# Altium PCB InsaneKeyboard.PcbDoc (part 1 of 4) (continued)
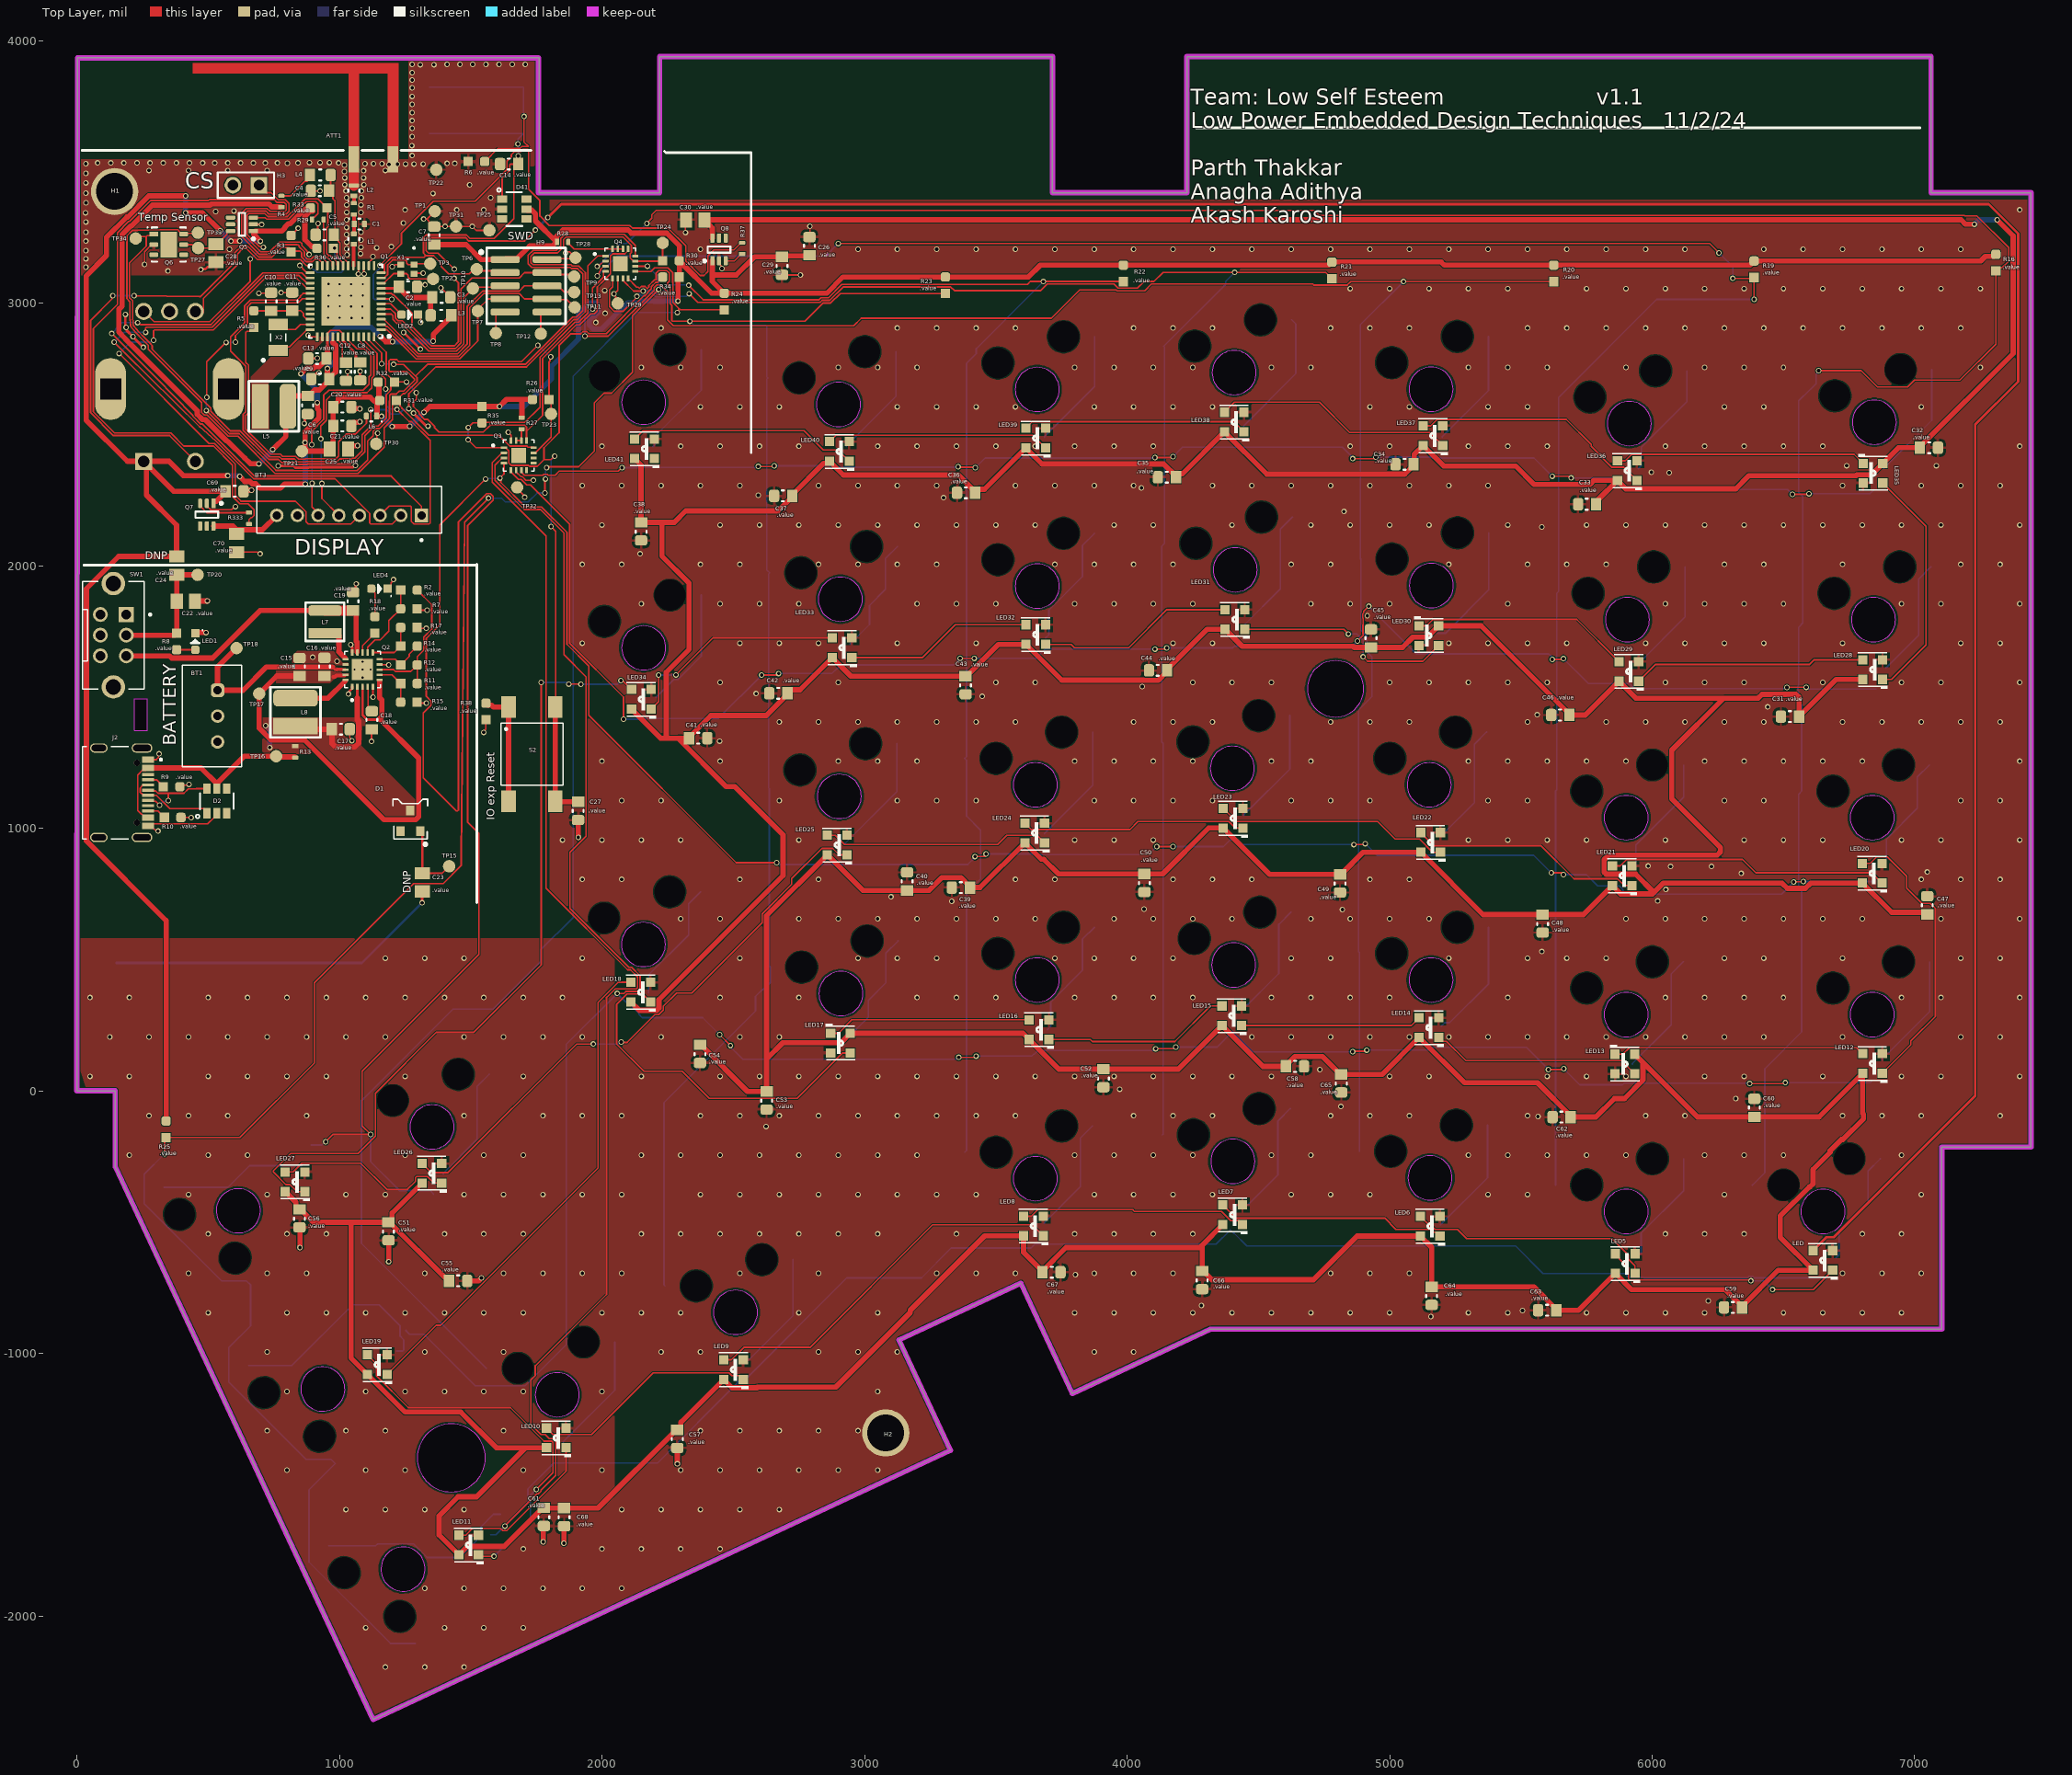
[diagram p0: Top Layer view]
## Footprints (in the part's own frame and the unit in brackets; to place one, negate y for a bottom-side part, rotate by r counter-clockwise, add the part's x,y. Pads: shape width x height; smd on the part's side, far side on the other; paste and mask are expansions set on the pad) (continued)
DPDT [mm]
  rect 1.438x1.438 / inner round 1.438 / far side rect 1.438x1.438 hole 0.93: 1(-2,1.25)
  round 1.438 hole 0.93: 2(0,1.25) 3(2,1.25) 4(-2,-1.25) 5(0,-1.25) 6(2,-1.25)
  round 2.265 hole 1.51: S1(-5,0) S2(5,0)
  silkscreen extent -5.2,-3 5.2,3.65, body extent -5.15,-7 5.15,3, height 5
EFR32BG [mm] "PQFN, 48-Leads, Body 7.00x7.00mm, Pitch 0.50mm, Thermal Pad 4.70x4.70mm, IPC Medium Density"
  rect 0.86x0.26 smd mask+0.05: 1(-3.435,2.75)
  rrect50% 0.86x0.26 smd mask+0.05: 2(-3.435,2.25) 3(-3.435,1.75) 4(-3.435,1.25) 5(-3.435,0.75) 6(-3.435,0.25) 7(-3.435,-0.25) 8(-3.435,-0.75) 9(-3.435,-1.25) 10(-3.435,-1.75) 11(-3.435,-2.25) 12(-3.435,-2.75) 25(3.435,-2.75) 26(3.435,-2.25) 27(3.435,-1.75) 28(3.435,-1.25) 29(3.435,-0.75) 30(3.435,-0.25) 31(3.435,0.25) 32(3.435,0.75) 33(3.435,1.25) 34(3.435,1.75) 35(3.435,2.25) 36(3.435,2.75)
  rrect50% 0.26x0.86 smd mask+0.05: 13(-2.75,-3.435) 14(-2.25,-3.435) 15(-1.75,-3.435) 16(-1.25,-3.435) 17(-0.75,-3.435) 18(-0.25,-3.435) 19(0.25,-3.435) 20(0.75,-3.435) 21(1.25,-3.435) 22(1.75,-3.435) 23(2.25,-3.435) 24(2.75,-3.435) 37(2.75,3.435) 38(2.25,3.435) 39(1.75,3.435) 40(1.25,3.435) 41(0.75,3.435) 42(0.25,3.435) 43(-0.25,3.435) 44(-0.75,3.435) 45(-1.25,3.435) 46(-1.75,3.435) 47(-2.25,3.435) 48(-2.75,3.435)
  round 0.5 hole 0.2: 49(-1.651,-0.559) 49(-1.651,-1.651) 49(-1.626,1.626) 49(-1.626,0.508) 49(-0.559,1.626) 49(-0.533,0.508) 49(-0.533,-0.533) 49(-0.533,-1.651) 49(0.559,0.483) 49(0.584,1.6) 49(0.584,-0.533) 49(0.584,-1.651) 49(1.651,-0.533) 49(1.651,-1.676) 49(1.676,0.508) 49(1.702,1.6)
  rect 4.7x4.7 smd paste-20 mask+0.05: 49(0,0)
  silkscreen extent -4.33,-3.55 3.55,3.55, body extent -3.55,-3.55 3.55,3.55, height 0.9
F_INVERTED [mil] "inverted f antenna with 50 ohm impedence matching"
  rect 100x40 smd paste-39.37 mask+4.02: FEED(0,0)
  rect 100x40 smd paste-78.74 mask+4.02: GND(0,-149)
  Top Layer region: 0,20 327,20 327,613 366,613 366,-169 0,-169 0,-129 327,-129 327,-20 0,-20
"FERRITE 0402"#1 [mm]
  rect 0.47x0.589 smd: 1(-0.5,0)
  rrect50% 0.47x0.589 smd: 2(0.5,0)
  silkscreen extent -1.04,-0.53 0.1,0.58, body extent -0.55,-0.3 0.55,0.3, height 0.55
"FERRITE 0402"#2 [mm]
  rect 0.47x0.64 smd: 1(-0.5,0)
  rrect50% 0.394x1.016 smd: 2(0.5,0)
  silkscreen extent -1.04,-0.53 0.1,0.58, body extent -0.55,-0.3 0.55,0.3, height 0.55
"FERRITE 0402"#3 [mm]
  rect 0.47x0.64 smd: 1(-0.5,0)
  rrect50% 0.47x0.64 smd: 2(0.5,0)
  silkscreen extent -1.04,-0.53 0.1,0.58, body extent -0.55,-0.3 0.55,0.3, height 0.55
"FERRITE 0603" [mm] "EFR32bg13- / RFVDD, PAVDD"
  rect 1x1.2 smd: 1(-0.975,0)
  rrect50% 1x1.2 smd: 2(1.025,0)
  silkscreen extent -0.07,-0.53 0.13,0.53, body extent -0.87,-0.5 0.93,0.5, height 1
HOLE [mil]
  round 180 hole 140: 1(0,0)
"IND 10UH (1X3.2)" [mm]
  rect 1x3.2 smd: 1(0,0)
  rrect50% 1x3.2 smd: 2(2.2,0)
  silkscreen extent -0.76,-1.85 2.97,1.88, body extent -0.27,-1.44 2.51,1.34, height 0.24
"IND 22UH (1.6X4.3)" [mm]
  rect 1.6x4.3 smd: 1(0,0)
  rrect50% 1.6x4.3 smd: 2(2.7,0)
  silkscreen extent -1.09,-2.41 3.76,2.44, body extent -0.58,-1.9 3.22,1.9, height 1.66
"LED 0603" [mm] "SODFL, 2-Leads, Body 0.80x1.80mm, IPC Medium Density"
  rrect50% 0.8x0.8 smd: A(0.775,-0.102)
  rect 0.8x0.8 smd: C(-0.825,-0.102)
  silkscreen extent -1.18,-0.5 0.12,0.65, body extent -0.83,-0.5 0.77,0.3, height 0.71
"MECHANICAL SWITCH" [mm] "Compatible with any 3-Pin/5-Pin MX mechanical keyboard with SMD-LED light or RGB-SMD light."
  rect 2.55x2.5 smd: 1(-5.561,5.1) 2(6.831,2.56)
  round 0 hole 3 unplated: 4(3.81,2.56) 5(-2.54,5.1)
  Keep-Out Layer board cut-out: 0,-2.135 -0.817,-1.973 -1.51,-1.51 -1.973,-0.817 -2.135,0 -2.135,0 -1.973,0.817 -1.51,1.51 -0.817,1.973 0,2.135 0,2.135 0.817,1.973 1.51,1.51 1.973,0.817 2.135,0 2.135,0 1.973,-0.817 1.51,-1.51 0.817,-1.973 0,-2.135
  silkscreen extent -3.86,6.27 4.95,8.1, body extent -6.67,0.91 7.83,6.8, height 1.76
"MINI SIMPLICITY CONNECTOR" [mil]
  rrect50% 26x110 smd mask+2: 1(-100,-80) 2(-100,80) 3(-50,-80) 4(-50,80) 5(0,-80) 6(0,80) 7(50,-80) 8(50,80) 9(100,-80) 10(100,80)
  silkscreen extent -145,-177 145,150, body extent -126,-116 124,114, height 241
"RESISTOR 0402" [mm]
  rect 0.4x0.6 smd: 1(-0.55,0)
  rrect50% 0.4x0.6 smd: 2(0.55,0)
  body extent -0.55,-0.3 0.55,0.3, height 0.55
"RESISTOR 0603" [mm] "Common footprint for 0603 resistor"
  rect 0.9x0.9 smd: 1(-0.8,0)
  rrect50% 0.9x0.9 smd: 2(0.8,0)
  body extent -0.78,-0.43 0.77,0.42, height 0.45
"ROTERY ENCODER" [mm]
  rect 1.65x1.65 hole 1.1: 1(-2.5,7)
  round 1.65 hole 1.1: 2(2.5,7) A(-2.5,-7.5) B(2.5,-7.5) COM(0,-7.5)
  oval 3x6 hole 2 square: S1(-5.7,0) S2(5.7,0)
  silkscreen extent -6.25,-6.7 6.25,7.7
"SI7021-A20 - TEMP" [mm] "SON, 6-Leads, Body 3.00x3.00mm, Pitch 1.00mm, Thermal Pad 2.40x1.50mm, IPC Medium Density /  / Humidity, Temperature 0 ~ 100% RH I2C ±3% RH 18 s Surface Mount"
  rect 0.85x0.45 smd mask+0.07: 1(-1.45,1)
  rrect50% 0.85x0.45 smd mask+0.07: 2(-1.45,0) 3(-1.45,-1) 4(1.45,-1) 5(1.45,0) 6(1.45,1)
  rect 1.6x2.5 smd paste-1 mask+0.07: ""(0,0)
  silkscreen extent -2.1,-1.65 1.65,1.7, body extent -1.55,-1.5 1.55,1.5, height 0.8
"Solar panel" [mm] "Monocrystalline Solar Cell 184 mW 4.15 V"
  round 3.4 smd: N(18.076,0.203) P(-17.924,0.203)
  silkscreen extent -20.92,-5.13 21.08,5.92
SPST [mm]
  rect 2.1x1.4 smd: 1(-4.55,-2.25) 2(4.55,-2.25) 3(-4.55,2.25) 4(4.55,2.25)
  silkscreen extent -3,-3 3,3, body extent -5,-3 5,3, height 4.4
"TCA6408ARGTR - IO EXPANDER" [mm] "IC XPNDR 400KHZ I2C SMBUS 16VQFN"
  rect 0.6x0.26 smd mask+0.07: 1(-1.435,0.75)
  rrect25% 0.6x0.26 smd mask+0.07: 2(-1.435,0.25) 3(-1.435,-0.25) 4(-1.435,-0.75) 9(1.435,-0.75) 10(1.435,-0.25) 11(1.435,0.25) 12(1.435,0.75)
  rrect25% 0.26x0.6 smd mask+0.07: 5(-0.75,-1.435) 6(-0.25,-1.435) 7(0.25,-1.435) 8(0.75,-1.435) 13(0.75,1.435) 14(0.25,1.435) 15(-0.25,1.435) 16(-0.75,1.435)
  rect 1.45x1.45 smd paste-0.04 mask+0.07: 17(0,0)
  silkscreen extent -2.57,-1.5 1.5,1.5, body extent -1.5,-1.5 1.5,1.5, height 1
"TEST POINT" [mm]
  round 1.2 smd paste-2539.97: 1(0,0)
"TPS22919DCKR - LOAD SW" [mm] "Power Switch/Driver 1:1 N-Channel 1.5A SC-70-6, 5.5 V, 1.5 A, 90-mO Self-Protected Load Switch with Controlled Rise Time"
  rect 0.9x0.4 smd mask+0.07: 1(-1.1,0.65)
  rrect50% 0.9x0.4 smd mask+0.07: 2(-1.1,0) 3(-1.1,-0.65) 4(1.1,-0.65) 5(1.1,0) 6(1.1,0.65)
  silkscreen extent -1.23,-1.1 0.3,1.52, body extent -1.2,-1.07 1.2,1.07, height 1.1
TVS [mm]
  rect 1x0.7 smd mask+0.025: 1(-1.162,0.95) 2(-1.162,0) 3(-1.162,-0.95) 4(1.2,-0.95) 5(1.2,0) 6(1.2,0.95)
  silkscreen extent -1.65,-1.63 0.76,2.03, body extent -1.37,-1.44 1.38,1.46, height 1.1
"TYPE C" [mm]
  rect 0.6x1.14 smd mask+0.05: A1_B12(-3.2,4.75) A4_B9(-2.4,4.75) B1_A12(3.2,4.75) B4_A9(2.4,4.75)
  rect 0.3x1.14 smd mask+0.05: A5(-1.25,4.75) A6(-0.25,4.75) A7(0.25,4.75) A8(1.25,4.75) B5(1.75,4.75) B6(0.75,4.75) B7(-0.75,4.75) B8(-1.75,4.75)
  oval 0.9x2 hole 0.6 slot 1.7 at 90 deg: S1(-4.325,4.17) S2(4.325,4.17)
  oval 0.9x1.7 hole 0.6 slot 1.4 at 90 deg: S3(-4.325,0) S4(4.325,0)
  round 0.6 hole 0.6 unplated: ""(-2.89,3.68) ""(2.89,3.68)
  silkscreen extent -4.47,-1.6 4.47,6.1, body extent -4.47,-2.6 4.47,5.31, height 3.31
WS2812B [mm]
  rect 0.9x0.9 smd: 1-DO(0.95,-0.95) 2-VDD(-0.95,-0.95) 3-DI(-0.95,0.95) 4-GND(0.95,0.95)
  silkscreen extent -1.42,-1.88 1.45,1.63
"XTAL 38.4MHZ" [mil]
  rect 23x27 smd paste+0 mask+0: 1(-17,25.1) 2(-17,-25.1) 3(17,-25.1) 4(17,25.1)
  silkscreen extent -85,-3 38,29, body extent -34,-41 34,41, height 20
XTAL_32.768KHZ-T [mm]
  rect 1.1x1.9 smd: 1(-1.25,0) 2(1.25,0)
  silkscreen extent -2.32,-0.75 0.38,1.56, body extent -1.6,-0.75 1.6,0.75, height 0.89

## Part data
ATT1: library part F_Interverted, "For 50Ohm impedence, Inverted F antenna"
BT1: library part "Battery 1000mAh", "Lithium Ion Polymer Battery - 3.7v 1200mAh", Manufacturer="Adafruit Industries", Manufacturer Part Number=258, Supplier Part Number=1528-1838-ND, Category="Batteries and Accessories", ComponentLink1Description=https://www.globtek.com/pdf/manual-datasheets/BL1200P4054481S1PCAC.pdf?src-supplier=Digikey, ComponentLink1URL=https://www.globtek.com/pdf/manual-datasheets/BL1200P4054481S1PCAC.pdf?src-supplier=Digikey, ComponentLink2Description=http://www.mouser.com/ds/2/737/503562%201200mah-932794.pdf?src-supplier=Mouser, ComponentLink2URL=http://www.mouser.com/ds/2/737/503562%201200mah-932794.pdf?src-supplier=Mouser, ComponentLink3Description=https://cdn-shop.adafruit.com/product-files/258/C101-_Li-Polymer_503562_1200mAh_3.7V_with_PCM_APPROVED_8.18.pdf?src-supplier=Digikey, ComponentLink3URL=https://cdn-shop.adafruit.com/product-files/258/C101-_Li-Polymer_503562_1200mAh_3.7V_with_PCM_APPROVED_8.18.pdf?src-supplier=Digikey, Pricing="1=9.95 (USD)", RoHS=No, Stock=802, Supplier=Digikey
BT2: library part "Solar Panel", "Monocryst Solar Cell 184MW 4.15V", Manufacturer=ANYSOLAR, Manufacturer Part Number=SM141K06L, Supplier Part Number=SM141K06L-ND, Pricing="1=6.3, 25=4.9996, 50=4.7572, 100=4.545, 250=4.242, 500=4.0299 (USD)", RoHS=No, Stock=2115, Supplier=Digikey
BT3: library part "1.54inch Waveshare Eink Display", "No backlight, keeps displaying last content for a long time even when power down / Ultra low power consumption, basically power is only required for refreshing / SPI interface, for connecting with controller boards like Raspberry Pi/Arduino/Nucleo, etc. / Onboard voltage translator, compatible with 3.3V/5V MCUs / Comes with development resources and manual (examples for Raspberry Pi/Jetson Nano/Arduino/STM32) / Specifications / Operating voltage: 3.3V/5V / Interface: 3-wire SPI, 4-wire SPI / Outline dimension: 48mm × 33mm / Display size: 27.6mm × 27.6mm / Dot pitch: 0.138 × 0.138 / Resolution: 200 × 200 / Display color: black, white / Grey level: 2 / Partial refresh time: 0.3s / Full refresh time: 2s / Refresh power: 26.4mW(typ.) / Standby power: <0.017mW / Viewing angle: >170°"
C1: library part "CAP 1.5pF 50V 0402", "Ceramic Capacitor, Multilayer, Ceramic, 50V, 3.33% +Tol, 3.33% -Tol, C0G, 30ppm/Cel TC, 0.0000015uF, Surface Mount, 0402", Capacitor Type=Ceramic, Case/Package=0402, Manufacturer=Murata, Manufacturer Part Number=GJM1555C1H1R5WB01D, Max Operating Temperature=125°C, Min Operating Temperature=-55°C, Package Shape=Rectangular, Package Style=SMTMeter, Rated DC Voltage (URdc)=50V, Supplier Part Number=490-11199-1-ND, Temperature Characteristics Code=C0G, Tolerance  (fill in as +-)=3.33%, Category="Ceramic Capacitors", ComponentLink1Description=https://datasheet.ciiva.com:443/pdfs/VipMasterIC/IC/MURE/MURE-S-A0004378008/MURE-S-A0004383770-1.pdf?src-supplier=IHS+Markit, ComponentLink1URL=https://datasheet.ciiva.com:443/pdfs/VipMasterIC/IC/MURE/MURE-S-A0004378008/MURE-S-A0004383770-1.pdf?src-supplier=IHS+Markit, ComponentLink2Description=https://datasheet.ciiva.com/18183/getdatasheetpartid-312921-18183825.pdf?src-supplier=Verical, ComponentLink2URL=https://datasheet.ciiva.com/18183/getdatasheetpartid-312921-18183825.pdf?src-supplier=Verical, Dielectric Material=Ceramic, Height=0.5mm, JESD-609 Code=e3, Length=1mm, Mounting Technology="Surface Mount", Multilayer=Yes, Packaging="Tape and Reel", Pins=2, Pricing="1=0.16, 10=0.091, 50=0.0634, 100=0.0549, 500=0.04062, 1000=0.03616, 2500=0.03144, 5000=0.02857 (USD)", Reach SVHC Compliant=Yes, RoHS=Yes, RoHS Compliant=Yes, Stock=52422, Supplier=Digikey, Terminal Finish=Nickel, Termination=Wraparound, Tolerance (fill in as +-)=3.33%, Width=0.5mm
C2 C3: library part "CAP 100pF 100V 0603", "Ceramic Capacitor, Multilayer, Ceramic, 100V, 5% +Tol, 5% -Tol, C0G, 30ppm/Cel TC, 0.0001uF, Surface Mount, 0603", Capacitor Type=Ceramic, Case/Package=0603, Manufacturer=Murata, Manufacturer Part Number=GCM1885C2A101JA16D, Max Operating Temperature=125°C, Min Operating Temperature=-55°C, Package Shape=Rectangular, Package Style=SMTMeter, Rated DC Voltage (URdc)=100V, Supplier Part Number=490-4771-1-ND, Temperature Characteristics Code=C0G, Tolerance  (fill in as +-)=5%, Category="Ceramic Capacitors", ComponentLink1Description=https://datasheet.ciiva.com:443/pdfs/VipMasterIC/IC/MURE/MURE-S-A0004365318/MURE-S-A0004370465-1.pdf?src-supplier=IHS+Markit, ComponentLink1URL=https://datasheet.ciiva.com:443/pdfs/VipMasterIC/IC/MURE/MURE-S-A0004365318/MURE-S-A0004370465-1.pdf?src-supplier=IHS+Markit, ComponentLink2Description=https://datasheet.ciiva.com/133/product-133309.pdf?src-supplier=Digikey, ComponentLink2URL=https://datasheet.ciiva.com/133/product-133309.pdf?src-supplier=Digikey, ComponentLink3Description=https://datasheet.ciiva.com/133/product-133310.pdf?src-supplier=Digikey, ComponentLink3URL=https://datasheet.ciiva.com/133/product-133310.pdf?src-supplier=Digikey, ComponentLink4Description=https://datasheet.ciiva.com/133/product-133311.pdf?src-supplier=Digikey, ComponentLink4URL=https://datasheet.ciiva.com/133/product-133311.pdf?src-supplier=Digikey, ComponentLink5Description=https://datasheet.ciiva.com/18183/getdatasheetpartid-223913-18183585.pdf?src-supplier=Verical, ComponentLink5URL=https://datasheet.ciiva.com/18183/getdatasheetpartid-223913-18183585.pdf?src-supplier=Verical, ComponentLink6Description=https://datasheet.ciiva.com/11605/product-11605527.pdf?src-supplier=Avnet, ComponentLink6URL=https://datasheet.ciiva.com/11605/product-11605527.pdf?src-supplier=Avnet, Dielectric Material=Ceramic, Height=0.9mm, JESD-609 Code=e3, Length=1.6mm, Mounting Technology="Surface Mount", Multilayer=Yes, Packaging="Tape and Reel", Pins=2, Pricing="1=0.1, 10=0.041, 50=0.0278, 100=0.0237, 500=0.017, 1000=0.01491 (USD)", Reach SVHC Compliant=Yes, Reference Standard=AEC-Q200, RoHS=Yes, RoHS Compliant=Yes, Stock=419530, Supplier=Digikey, Terminal Finish=Nickel, Termination=Wraparound, Tolerance (fill in as +-)=5%, Width=0.8mm
C4: library part "CAP 220nF 50V 0603", "Ceramic Capacitor, Multilayer, Ceramic, 50V, 10% +Tol, 10% -Tol, X7R, 15% TC, 0.022uF, Surface Mount, 0603", Capacitor Type=Ceramic, Case/Package=0402, Manufacturer=Murata, Manufacturer Part Number=GRM155R71H223KA12D, Max Operating Temperature=125°C, Min Operating Temperature=-55°C, Package Shape=Rectangular, Package Style=SMTMeter, Rated DC Voltage (URdc)=50V, Supplier Part Number=490-3884-1-ND, Temperature Characteristics Code=X7R, Tolerance  (fill in as +-)=10%, Category="Ceramic Capacitors", ComponentLink1Description=https://datasheet.ciiva.com:443/pdfs/VipMasterIC/IC/MURE/MURE-S-A0008911298/MURE-S-A0008911312-1.pdf?src-supplier=IHS+Markit, ComponentLink1URL=https://datasheet.ciiva.com:443/pdfs/VipMasterIC/IC/MURE/MURE-S-A0008911298/MURE-S-A0008911312-1.pdf?src-supplier=IHS+Markit, ComponentLink2Description=https://datasheet.ciiva.com/11789/0900766b80ef921d-11789142.pdf?src-supplier=Rs, ComponentLink2URL=https://datasheet.ciiva.com/11789/0900766b80ef921d-11789142.pdf?src-supplier=Rs, ComponentLink3Description=https://datasheet.ciiva.com/18184/getdatasheetpartid-178940-18184738.pdf?src-supplier=Verical, ComponentLink3URL=https://datasheet.ciiva.com/18184/getdatasheetpartid-178940-18184738.pdf?src-supplier=Verical, ComponentLink4Description=https://datasheet.ciiva.com/29199/454297-da-01-en-vs-kondensator-0402-29199766.pdf?src-supplier=Conrad, ComponentLink4URL=https://datasheet.ciiva.com/29199/454297-da-01-en-vs-kondensator-0402-29199766.pdf?src-supplier=Conrad, ComponentLink5Description=https://datasheet.ciiva.com/7937/608985-7937629.pdf?src-supplier=Element14, ComponentLink5URL=https://datasheet.ciiva.com/7937/608985-7937629.pdf?src-supplier=Element14, ComponentLink6Description=https://datasheet.ciiva.com/131/partnumbering-e-01-131078.pdf?src-supplier=Digikey, ComponentLink6URL=https://datasheet.ciiva.com/131/partnumbering-e-01-131078.pdf?src-supplier=Digikey, ComponentLink7Description=https://datasheet.ciiva.com/131/partnumbering-e-01-131079.pdf?src-supplier=Digikey, ComponentLink7URL=https://datasheet.ciiva.com/131/partnumbering-e-01-131079.pdf?src-supplier=Digikey, ComponentLink8Description=https://datasheet.ciiva.com/131/partnumbering-e-01-131080.pdf?src-supplier=Digikey, ComponentLink8URL=https://datasheet.ciiva.com/131/partnumbering-e-01-131080.pdf?src-supplier=Digikey, ComponentLink9Description=https://datasheet.ciiva.com/22698/608985-22698424.pdf?src-supplier=Element14, ComponentLink9URL=https://datasheet.ciiva.com/22698/608985-22698424.pdf?src-supplier=Element14, ComponentLink10Description=https://datasheet.ciiva.com/16440/l0005e-16440589.pdf?src-supplier=Future+Electronics, ComponentLink10URL=https://datasheet.ciiva.com/16440/l0005e-16440589.pdf?src-supplier=Future+Electronics, ComponentLink11Description=https://datasheet.ciiva.com:443/pdfs/VipMasterIC/IC/MURE/MURE-S-A0004362469/MURE-S-A0004362882-1.pdf?src-supplier=IHS+Markit, ComponentLink11URL=https://datasheet.ciiva.com:443/pdfs/VipMasterIC/IC/MURE/MURE-S-A0004362469/MURE-S-A0004362882-1.pdf?src-supplier=IHS+Markit, ComponentLink12Description=https://datasheet.ciiva.com/29540/product-29540839.pdf?src-supplier=Digikey, ComponentLink12URL=https://datasheet.ciiva.com/29540/product-29540839.pdf?src-supplier=Digikey, ComponentLink13Description=https://datasheet.ciiva.com/29540/product-29540840.pdf?src-supplier=Digikey, ComponentLink13URL=https://datasheet.ciiva.com/29540/product-29540840.pdf?src-supplier=Digikey, ComponentLink14Description=https://datasheet.ciiva.com/29540/product-29540841.pdf?src-supplier=Digikey, ComponentLink14URL=https://datasheet.ciiva.com/29540/product-29540841.pdf?src-supplier=Digikey, ComponentLink15Description=https://datasheet.ciiva.com/11619/product-11619420.pdf?src-supplier=Avnet, ComponentLink15URL=https://datasheet.ciiva.com/11619/product-11619420.pdf?src-supplier=Avnet, Dielectric Material=Ceramic, Height=0.5mm, JESD-609 Code=e3, Length=1mm, Mounting Technology="Surface Mount", Multilayer=Yes, Packaging="Tape and Reel", Pins=2, Pricing="1=0.1, 10=0.022, 50=0.0148, 100=0.0125, 500=0.00878, 1000=0.00762, 2500=0.00639, 5000=0.00565, 10000=0.00504, 20000=0.00453, 30000=0.00428, 50000=0.004, 70000=0.00383, 100000=0.00367, 250000=0.00333, 500000=0.00312, 1000000=0.00294 (USD)", Reach SVHC Compliant=Yes, Reference Standard=AEC-Q200, RoHS=Yes, RoHS Compliant=Yes, Stock=581872, Supplier=Digikey, Terminal Finish=Nickel, Termination=Wraparound, Tolerance (fill in as +-)=10%, Width=0.5mm
C5: library part "CAP 10pF 50V 0603", "Ceramic Capacitor, Multilayer, Ceramic, 100V, 5% +Tol, 5% -Tol, C0G, 30ppm/Cel TC, 0.00001uF, Surface Mount, 0603", Capacitor Type=Ceramic, Case/Package=0402, Manufacturer=Murata, Manufacturer Part Number=GRM1555C1H100FA01D, Max Operating Temperature=125°C, Min Operating Temperature=-55°C, Package Shape=Rectangular, Package Style=SMTMeter, Rated DC Voltage (URdc)=50V, Supplier Part Number=490-6186-1-ND, Temperature Characteristics Code=C0G, Tolerance  (fill in as +-)=1%, Category="Ceramic Capacitors", ComponentLink1Description=https://datasheet.ciiva.com:443/pdfs/VipMasterIC/IC/MURE/MURE-S-A0004347008/MURE-S-A0004347294-1.pdf?src-supplier=IHS+Markit, ComponentLink1URL=https://datasheet.ciiva.com:443/pdfs/VipMasterIC/IC/MURE/MURE-S-A0004347008/MURE-S-A0004347294-1.pdf?src-supplier=IHS+Markit, ComponentLink2Description=https://datasheet.ciiva.com/6263/partnumbering-e-01-6263819.pdf?src-supplier=Digikey, ComponentLink2URL=https://datasheet.ciiva.com/6263/partnumbering-e-01-6263819.pdf?src-supplier=Digikey, ComponentLink3Description=https://datasheet.ciiva.com/6263/partnumbering-e-01-6263822.pdf?src-supplier=Digikey, ComponentLink3URL=https://datasheet.ciiva.com/6263/partnumbering-e-01-6263822.pdf?src-supplier=Digikey, ComponentLink4Description=https://datasheet.ciiva.com:443/pdfs/VipMasterIC/IC/MURE/MURE-S-A0004365318/MURE-S-A0004370306-1.pdf?src-supplier=IHS+Markit, ComponentLink4URL=https://datasheet.ciiva.com:443/pdfs/VipMasterIC/IC/MURE/MURE-S-A0004365318/MURE-S-A0004370306-1.pdf?src-supplier=IHS+Markit, ComponentLink5Description=https://datasheet.ciiva.com/133/product-133480.pdf?src-supplier=Digikey, ComponentLink5URL=https://datasheet.ciiva.com/133/product-133480.pdf?src-supplier=Digikey, ComponentLink6Description=https://datasheet.ciiva.com/133/product-133481.pdf?src-supplier=Digikey, ComponentLink6URL=https://datasheet.ciiva.com/133/product-133481.pdf?src-supplier=Digikey, ComponentLink7Description=https://datasheet.ciiva.com/133/product-133482.pdf?src-supplier=Digikey, ComponentLink7URL=https://datasheet.ciiva.com/133/product-133482.pdf?src-supplier=Digikey, ComponentLink8Description=https://datasheet.ciiva.com/18183/getdatasheetpartid-307287-18183583.pdf?src-supplier=Verical, ComponentLink8URL=https://datasheet.ciiva.com/18183/getdatasheetpartid-307287-18183583.pdf?src-supplier=Verical, ComponentLink9Description=https://datasheet.ciiva.com/11607/product-11607353.pdf?src-supplier=Avnet, ComponentLink9URL=https://datasheet.ciiva.com/11607/product-11607353.pdf?src-supplier=Avnet, Dielectric Material=Ceramic, Height=0.9mm, JESD-609 Code=e3, Length=1.6mm, Mounting Technology="Surface Mount", Multilayer=Yes, Packaging="Tape and Reel", Pins=2, Pricing="1=0.1, 10=0.03, 50=0.0204, 100=0.0174, 500=0.0125, 1000=0.01097, 2500=0.00936, 5000=0.00838 (USD)", Reach SVHC Compliant=Yes, Reference Standard=AEC-Q200, RoHS=Yes, RoHS Compliant=Yes, Stock=4693307, Supplier=Digikey, Terminal Finish=Nickel, Termination=Wraparound, Tolerance (fill in as +-)=1%, Width=0.8mm
C6 C15 C17: library part "CAP 4.7uF 25V 0603", "Ceramic Capacitor, Multilayer, Ceramic, 25V, 10% +Tol, 10% -Tol, X5R, 15% TC, 4.7uF, Surface Mount, 0603", Capacitor Type=Ceramic, Case/Package=0603, Manufacturer=Murata, Manufacturer Part Number=GRT188R61E475KE13D, Max Operating Temperature=85°C, Min Operating Temperature=-55°C, Package Shape=Rectangular, Rated DC Voltage (URdc)=25V, Supplier Part Number=490-12328-1-ND, Temperature Characteristics Code=X5R, Tolerance  (fill in as +-)=10%, Category="Ceramic Capacitors", ComponentLink1Description=https://psearch.en.murata.com:443/capacitor/product/GRT188R61E475KE13%23.pdf?src-supplier=IHS+Markit, ComponentLink1URL=https://psearch.en.murata.com:443/capacitor/product/GRT188R61E475KE13%23.pdf?src-supplier=IHS+Markit, ComponentLink2Description=http://www.farnell.com/datasheets/2165958.pdf?src-supplier=Farnell, ComponentLink2URL=http://www.farnell.com/datasheets/2165958.pdf?src-supplier=Farnell, ComponentLink3Description=http://search.murata.co.jp/Ceramy/image/img/A01X/G101/ENG/GRT188R61E475KE13-01.pdf?src-supplier=Digikey, ComponentLink3URL=http://search.murata.co.jp/Ceramy/image/img/A01X/G101/ENG/GRT188R61E475KE13-01.pdf?src-supplier=Digikey, ComponentLink4Description=https://datasheet.octopart.com/GRT188R61E475KE13D-Murata-datasheet-67697750.pdf?src-supplier=Newark, ComponentLink4URL=https://datasheet.octopart.com/GRT188R61E475KE13D-Murata-datasheet-67697750.pdf?src-supplier=Newark, ComponentLink5Description=http://www.farnell.com/datasheets/2165958.pdf?src-supplier=Element14, ComponentLink5URL=http://www.farnell.com/datasheets/2165958.pdf?src-supplier=Element14, ComponentLink6Description=https://datasheet.octopart.com/GRT188R61E475KE13D-Murata-datasheet-165579666.pdf?src-supplier=TME, ComponentLink6URL=https://datasheet.octopart.com/GRT188R61E475KE13D-Murata-datasheet-165579666.pdf?src-supplier=TME, Dielectric Material=Ceramic, JESD-609 Code=e3, Mounting Technology="Surface Mount", Multilayer=Yes, Packaging="Tape and Reel", Pins=2, Pricing="1=0.19, 10=0.111, 50=0.0792, 100=0.0693, 500=0.05246, 1000=0.04721 (USD)", Reach SVHC Compliant=Yes, Reference Standard=AEC-Q200, RoHS=Yes, RoHS Compliant=Yes, Stock=959263, Supplier=Digikey, Terminal Finish=Nickel, Termination=Wraparound, Tolerance (fill in as +-)=10%
C7 C10: library part "CAP 10uF 10V 0603", "Ceramic Capacitor, Multilayer, Ceramic, 10V, 20% +Tol, 20% -Tol, X5R, 15% TC, 10uF, Surface Mount, 0603", Capacitor Type=Ceramic, Case/Package=0603, Manufacturer=Murata, Manufacturer Part Number=GRM188R61A106ME69D, Max Operating Temperature=85°C, Min Operating Temperature=-55°C, Package Shape=Rectangular, Rated DC Voltage (URdc)=10V, Supplier Part Number=490-10475-1-ND, Temperature Characteristics Code=X5R, Tolerance  (fill in as +-)=20%, Category="Ceramic Capacitors", ComponentLink1Description=https://datasheet.ciiva.com:443/pdfs/VipMasterIC/IC/MURE/MURE-S-A0004349797/MURE-S-A0004352786-1.pdf?src-supplier=IHS+Markit, ComponentLink1URL=https://datasheet.ciiva.com:443/pdfs/VipMasterIC/IC/MURE/MURE-S-A0004349797/MURE-S-A0004352786-1.pdf?src-supplier=IHS+Markit, ComponentLink2Description=http://www.mouser.com/ds/2/281/c02e-2905.pdf?src-supplier=Mouser, ComponentLink2URL=http://www.mouser.com/ds/2/281/c02e-2905.pdf?src-supplier=Mouser, ComponentLink3Description=http://www.farnell.com/datasheets/1872210.pdf?src-supplier=Farnell, ComponentLink3URL=http://www.farnell.com/datasheets/1872210.pdf?src-supplier=Farnell, ComponentLink4Description=https://datasheet.octopart.com/GRM188R61A106ME69D-Murata-datasheet-62317187.pdf?src-supplier=Element14, ComponentLink4URL=https://datasheet.octopart.com/GRM188R61A106ME69D-Murata-datasheet-62317187.pdf?src-supplier=Element14, ComponentLink5Description=https://datasheet.octopart.com/GRM188R61A106ME69D-Murata-datasheet-22122223.pdf?src-supplier=Future+Electronics, ComponentLink5URL=https://datasheet.octopart.com/GRM188R61A106ME69D-Murata-datasheet-22122223.pdf?src-supplier=Future+Electronics, ComponentLink6Description=http://search.murata.co.jp/Ceramy/image/img/A01X/G101/ENG/GRM188R61A106ME69-01.pdf?src-supplier=Digikey, ComponentLink6URL=http://search.murata.co.jp/Ceramy/image/img/A01X/G101/ENG/GRM188R61A106ME69-01.pdf?src-supplier=Digikey, ComponentLink7Description=http://www.farnell.com/datasheets/1872210.pdf?src-supplier=Newark, ComponentLink7URL=http://www.farnell.com/datasheets/1872210.pdf?src-supplier=Newark, ComponentLink8Description=http://www.farnell.com/datasheets/2048014.pdf?src-supplier=Element14, ComponentLink8URL=http://www.farnell.com/datasheets/2048014.pdf?src-supplier=Element14, ComponentLink9Description=http://www.farnell.com/datasheets/1872210.pdf?src-supplier=Element14, ComponentLink9URL=http://www.farnell.com/datasheets/1872210.pdf?src-supplier=Element14, ComponentLink10Description=https://datasheet.octopart.com/GRM188R61A106ME69D-Murata-datasheet-165579666.pdf?src-supplier=TME, ComponentLink10URL=https://datasheet.octopart.com/GRM188R61A106ME69D-Murata-datasheet-165579666.pdf?src-supplier=TME, Dielectric Material=Ceramic, JESD-609 Code=e3, Mounting Technology="Surface Mount", Multilayer=Yes, Packaging="Tape and Reel", Pins=2, Pricing="1=0.13, 10=0.075, 50=0.0518, 100=0.0448, 500=0.03284, 1000=0.02913, 4000=0.02354, 8000=0.02144, 12000=0.02039, 20000=0.01922, 28000=0.01853, 40000=0.01787, 100000=0.01643, 200000=0.01556, 400000=0.01484 (USD)", Reach SVHC Compliant=Yes, RoHS=Yes, RoHS Compliant=Yes, Stock=738560, Supplier=Digikey, Terminal Finish=Nickel, Termination=Wraparound, Tolerance (fill in as +-)=20%